# Altium PCB Kasli-DIOT.PCBDOC (part 1 of 21) (continued)
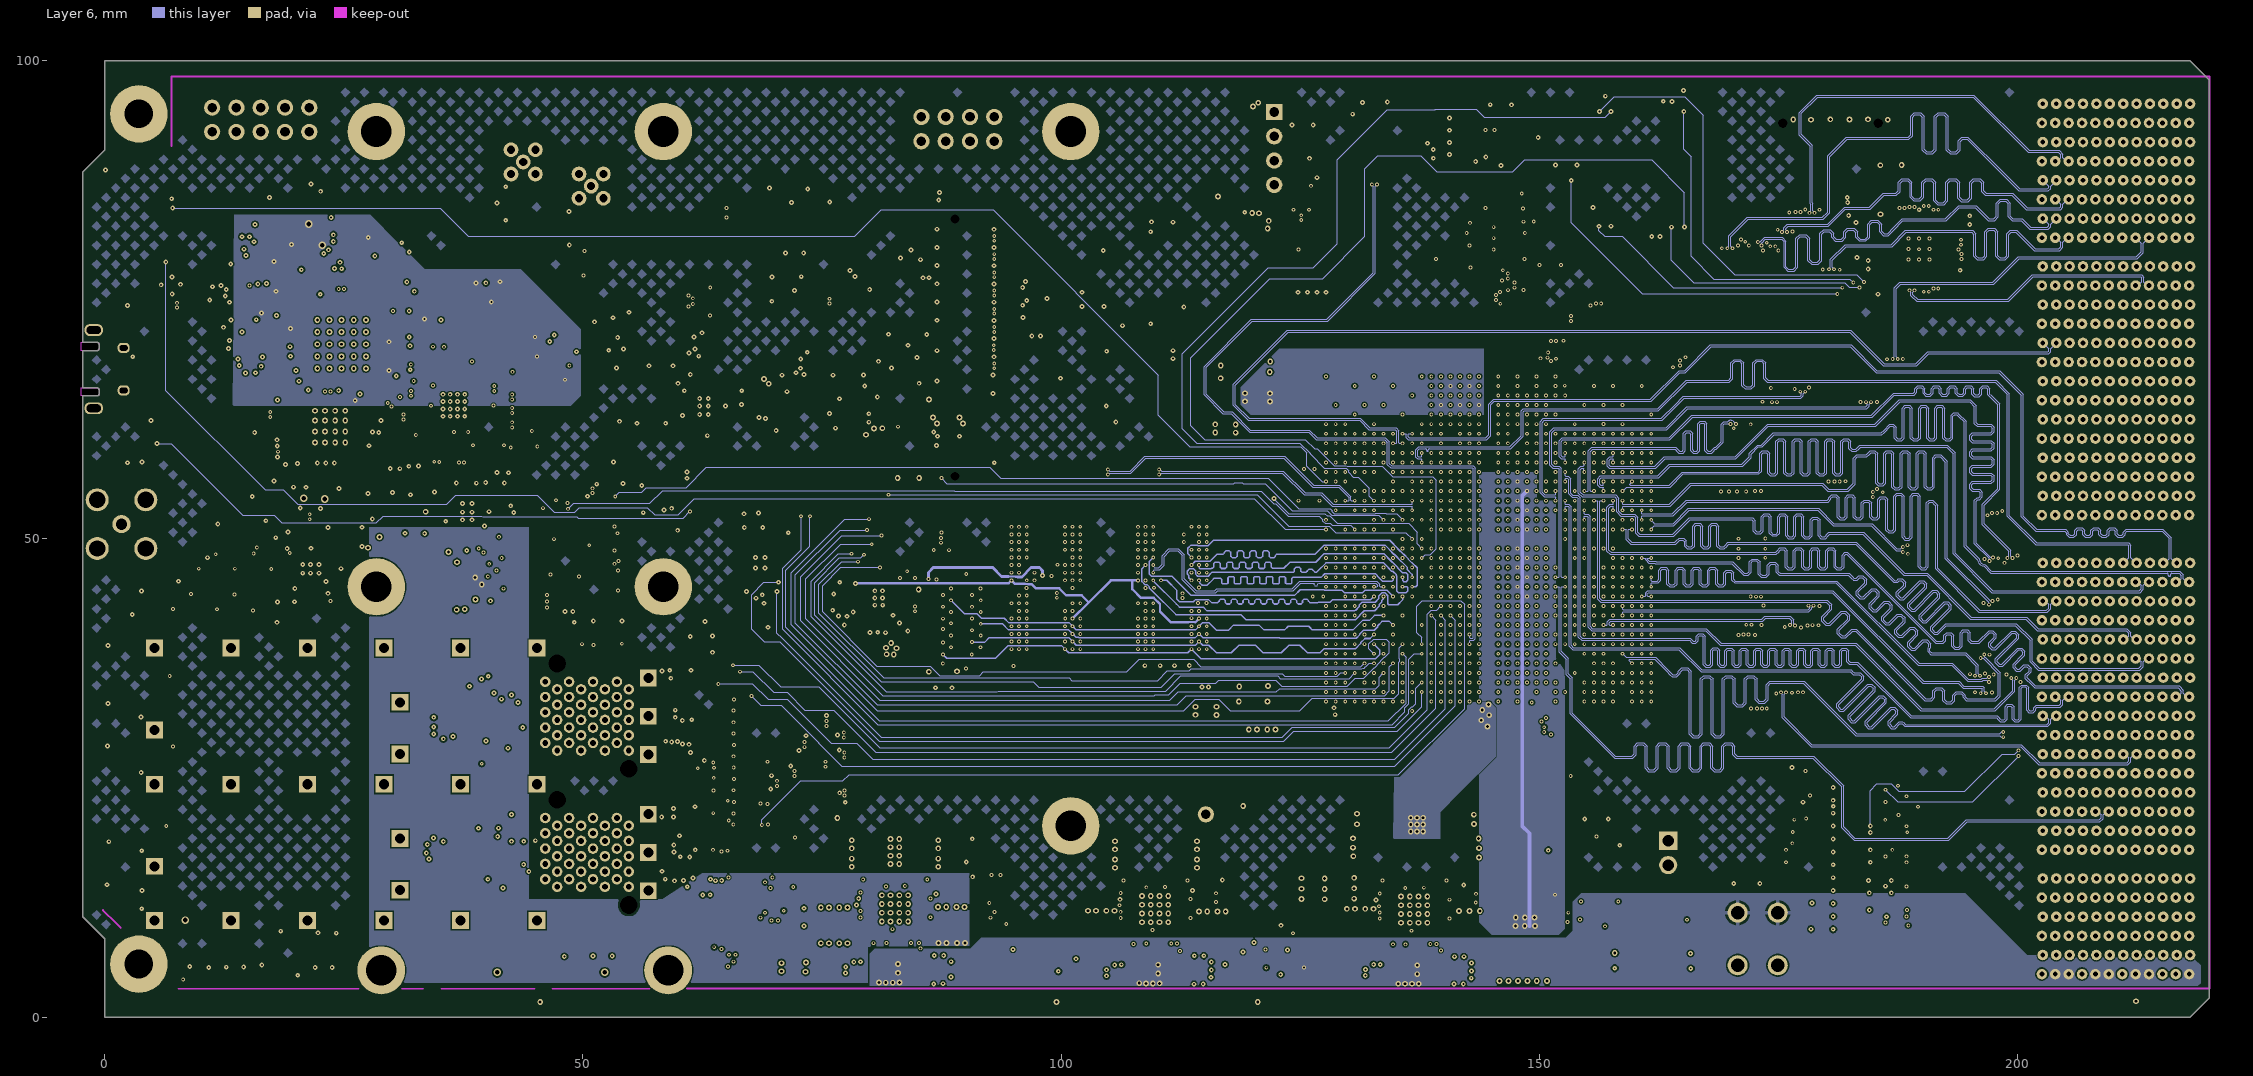
[diagram p6: Layer 6]
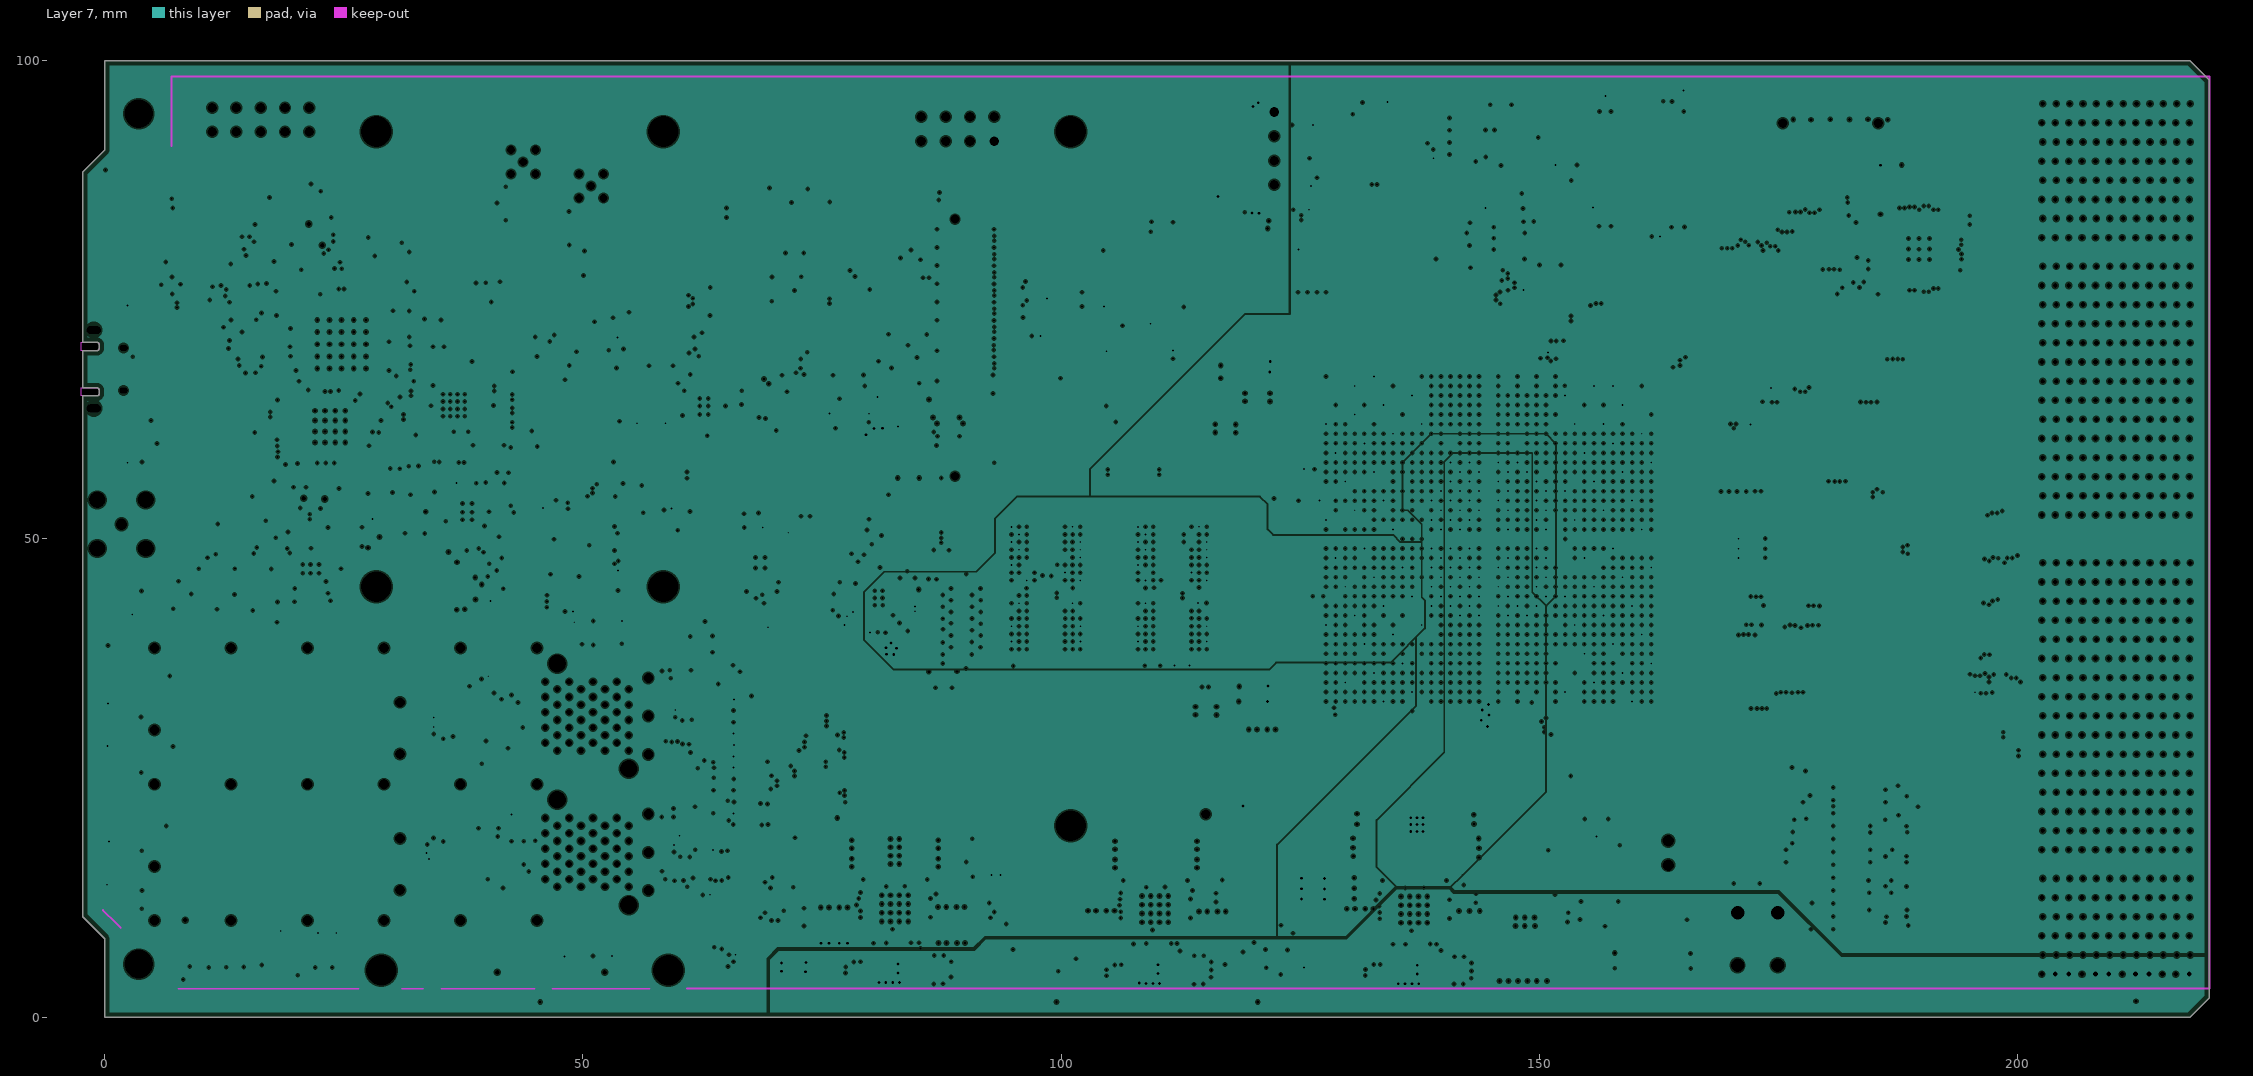
[diagram p7: Layer 7, clearances drawn from the general rule]
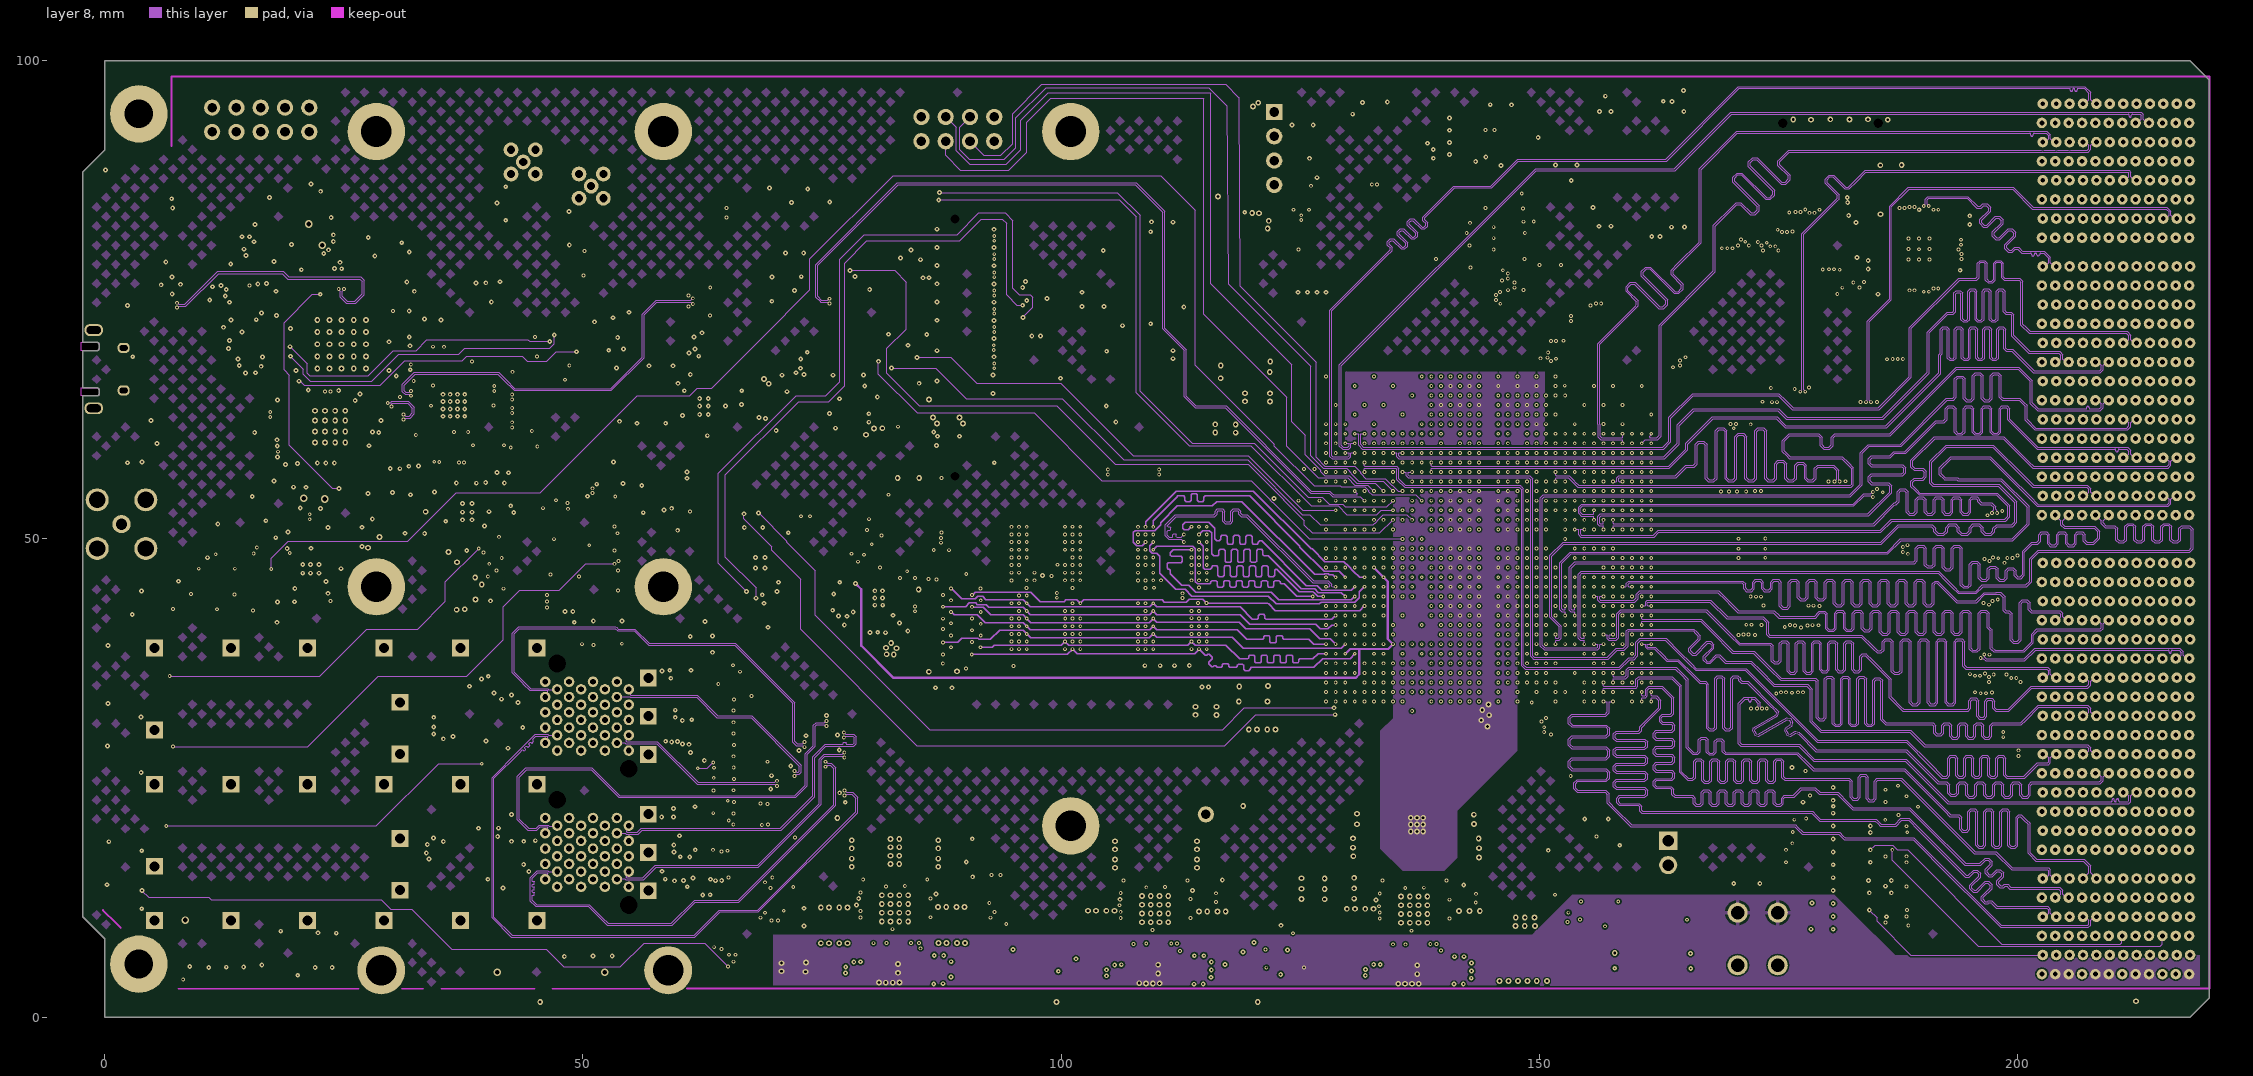
[diagram p8: layer 8]
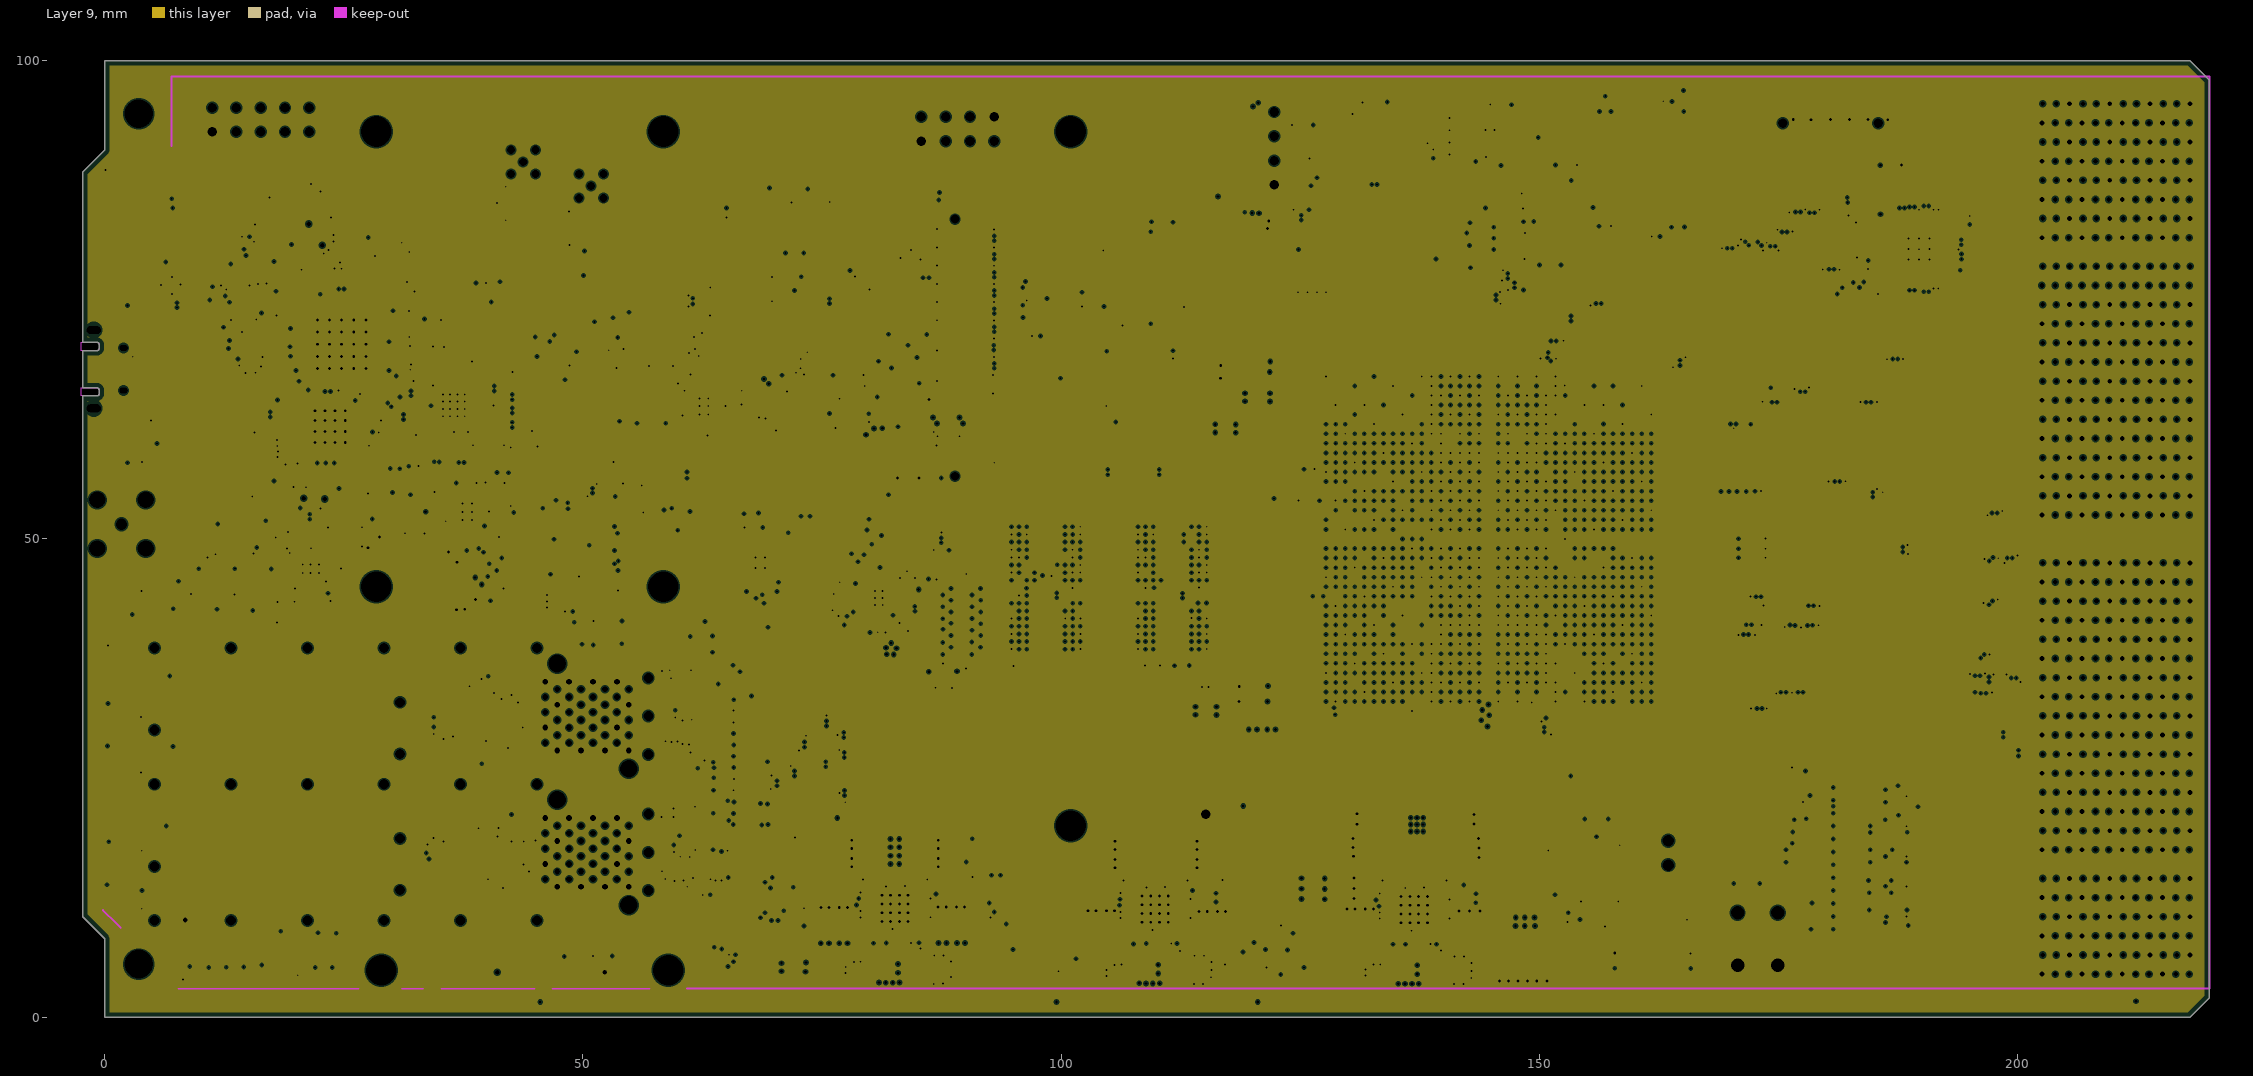
[diagram p9: Layer 9, clearances drawn from the general rule]

## Layer stack, top to bottom
TopSolder: solder mask 0.0225, Solder Resist, Dk 3.5
TopLayer: signal copper 0.035
Dielectric1: core 0.1, FR-4, Dk 4.2
Layer 2: plane copper 0.018, net (Multiple Nets)
Dielectric2: prepreg 0.2, FR-4, Dk 4.1
Layer 3: signal copper 0.018
Dielectric3: prepreg 0.1, FR-4, Dk 4.1
Layer 4: plane copper 0.018, net GND
Dielectric4: prepreg 0.1, FR-4, Dk 4.1
Layer 5: signal copper 0.018
Dielectric5: core 0.35, FR-4, Dk 4.2
Layer 6: signal copper 0.018
Dielectric6: prepreg 0.1, FR-4, Dk 4.1
Layer 7: plane copper 0.018, net (Multiple Nets)
Dielectric7: prepreg 0.1, FR-4, Dk 4.1
layer 8: signal copper 0.018
Dielectric8: prepreg 0.2, FR-4, Dk 4.1
Layer 9: plane copper 0.018, net GND
Dielectric9: core 0.1, FR-4, Dk 4.2
BottomLayer: signal copper 0.035
BottomSolder: solder mask 0.0225, Solder Resist, Dk 3.5

## Board outline
-2.3,10.5 -2.3,64.95 -0.8,64.95 ccw(c-0.8,65.15) -0.6,65.15 -0.6,65.6 ccw(c-0.8,65.6) -0.8,65.8 -2.3,65.8 -2.3,69.7 -0.8,69.7 ccw(c-0.8,69.9) -0.6,69.9 -0.6,70.35 ccw(c-0.8,70.35) -0.8,70.55 -2.3,70.55 -2.3,88.375 0,90.675 0,100 218.039,100 220.039,98 220.039,2 218.039,0 0,0 0,8.2

## Design rules (kind name [scope] priority, off if disabled: settings)
AcuteAngle [All] p1: minimum=4.40000000000000E+0001 checktracksonly=FALSE
AssemblyTestPointUsage [All] p1 off:
AssemblyTestpoint [All] p1 off: testpointundercomponent=TRUE minsize=1.016 maxsize=2.54 preferedsize=1.524 minholesize=0 maxholesize=1.016 preferedholesize=0.813 testpointgrid=0.025 usegrid=TRUE gridtolerance=0 allowsidetop=TRUE allowsidebottom=TRUE
BoardOutlineClearance [All] p1: gap=0.4 ignorepadtopadclearanceinfootprint=FALSE
Clearance Clearance_NPTH [(HoleDiameter > 0) And (PadIsPlated = 'False')] p1: gap=0.254 ignorepadtopadclearanceinfootprint=FALSE
Clearance Clearance_D80 [InDifferentialPair('DDR_CK')] p2: gap=0.085 ignorepadtopadclearanceinfootprint=FALSE
Clearance Clearance_ddr [InNetClass('SE40') or InNetClass('D80') vs WithinRoom('U_FPGA_SDRAM')] p3: gap=0.085 ignorepadtopadclearanceinfootprint=FALSE
Clearance Clearance_poly_balancing [InPolygonClass('Copper_balancing') vs OnLayer('KeepOutLayer')] p4: gap=0.3 ignorepadtopadclearanceinfootprint=FALSE
Clearance Clearance_poly_balancing_1 [InPolygonClass('Copper_balancing') vs InAnyNet] p5: gap=1.5 ignorepadtopadclearanceinfootprint=FALSE
Clearance Clearance_FTG [InComponent('FTG*') vs InComponent('FTG*')] p6: gap=0.1 ignorepadtopadclearanceinfootprint=TRUE except(0: SMDPad-Region; 0.15: THPad-Fill THPad-Poly THPad-Region Via-Fill Via-Poly Via-Region; 0.2: Arc-Fill Arc-Poly Arc-Region Track-Fill Track-Poly Track-Region SMDPad-Fill SMDPad-Poly)
Clearance [All] p7: gap=0.1 ignorepadtopadclearanceinfootprint=TRUE except(0.15: THPad-Poly Via-Poly; 0.2: Track-Poly SMDPad-Poly)
Clearance Clearance_via [IsVia vs IsVia] p8 off: gap=0.254 ignorepadtopadclearanceinfootprint=FALSE except(0: Arc-Hole Track-Hole SMDPad-Hole THPad-Hole Via-Hole Fill-Hole Poly-Hole Region-Hole Text-Hole; 0.076: Arc-Track Arc-SMDPad Track-Track Track-SMDPad SMDPad-SMDPad SMDPad-Fill SMDPad-Region THPad-Fill THPad-Region; 0.08: Arc-Arc; 0.1: Arc-Fill Arc-Region Track-Fill Track-Region Fill-Fill Fill-Region; 0.127: Arc-Poly Track-Poly SMDPad-Poly THPad-Poly Fill-Poly Poly-Poly Poly-Region Region-Region; 0.15: Arc-Via Track-Via SMDPad-Via Via-Via Via-Fill Via-Poly Via-Region; 0.2: Arc-THPad Track-THPad SMDPad-THPad THPad-THPad THPad-Via)
Clearance Clearance_inner [(OnLayer('MidLayer1') OR OnLayer('MidLayer2') OR OnLayer('SignalLayer1'))] p9 off: gap=0.25 ignorepadtopadclearanceinfootprint=FALSE except(0: Arc-Hole SMDPad-Hole THPad-Hole Via-Hole Fill-Hole Poly-Hole Region-Hole Text-Hole; 0.076: Arc-Arc Arc-Track Arc-SMDPad Track-Track Track-SMDPad SMDPad-SMDPad SMDPad-Fill SMDPad-Region THPad-Fill THPad-Region; 0.1: Track-THPad Track-Region Region-Region; 0.127: SMDPad-Poly THPad-Poly; 0.15: Arc-Via Track-Via Via-Fill Via-Poly Via-Region; 0.2: SMDPad-Via THPad-Via; 0.254: Arc-Text Track-Text SMDPad-Text THPad-Text Via-Text Fill-Text Poly-Text Region-Text Text-Text)
ComponentClearance ComponentClearance_0mm [InComponent('FTG*')  or (ObjectKind = '3D Body') or InComponent('TP*') or InComponent('ic30') or InComponent('ic31')  or InComponent('ic24') or InComponent('ic25')  or InComponent('ic28') or InComponent('ic29') or InComponent('c305')  or InComponent('c306')  or InComponent('ic4') or InComponent('HS1')  or InComponent('j18') or InComponent('j19') or InComponent('M1') or InComponent('M2')or InComponent('j11')or InComponent('j12')or InComponent('j14')or InComponent('j29') or InComponent('j31')or InComponent('j33') or InComponent('IC34') or InComponent('IC35') or InComponent('IC38')  or InComponent('C427') or InComponent('R238') vs InComponent('FTG*')  or (ObjectKind = '3D Body') or InComponent('TP*') or InComponent('ic30') or InComponent('ic31')  or InComponent('ic24') or InComponent('ic25')  or InComponent('ic28') or InComponent('ic29') or InComponent('c305')  or InComponent('c306')  or InComponent('ic4') or InComponent('HS1')  or InComponent('j18') or InComponent('j19') or InComponent('M1') or InComponent('M2')or InComponent('j11')or InComponent('j12')or InComponent('j14')or InComponent('j29') or InComponent('j31')or InComponent('j33') or InComponent('IC34') or InComponent('IC35') or InComponent('IC38')  or InComponent('C427') or InComponent('R238')] p1: gap=0 collisioncheckmode=3 verticalgap=0 showdistances=FALSE
ComponentClearance [All] p2: gap=0.15 collisioncheckmode=3 verticalgap=0.15 showdistances=FALSE
DiffPairsRouting DiffPairsRouting_DDR [InNetClass('D80')] p1: maxlimit=0.1 minlimit=0.09 mostfreqgap=0.1 toplayer_maxgap=0.09 toplayer_prefgap=0.09 toplayer_minwidth=0.12 toplayer_maxwidth=0.12 toplayer_prefwidth=0.12 midlayer2_mingap=0.1 midlayer2_minwidth=0.11 midlayer2_maxwidth=0.11 midlayer2_prefwidth=0.11 midlayer3_mingap=0.1 midlayer3_minwidth=0.12 midlayer3_maxwidth=0.12 midlayer3_prefwidth=0.12 midlayer4_mingap=0.1 midlayer4_minwidth=0.12 midlayer4_maxwidth=0.12 midlayer4_prefwidth=0.12 midlayer7_mingap=0.1 midlayer7_minwidth=0.11 midlayer7_maxwidth=0.11 midlayer7_prefwidth=0.11 bottomlayer_maxgap=0.09 bottomlayer_prefgap=0.09 bottomlayer_minwidth=0.12 bottomlayer_maxwidth=0.12 bottomlayer_prefwidth=0.12 impedanceprofiledriven=TRUE impedanceprofileid={ECA0DBA4-A4E1-4D84-A065-75DCE5BDB592} impedanceprofilevalue=80.000000 maxuncoupledlength=12.7
DiffPairsRouting DiffPairsRouting_100_Ohm [InNetClass('D100')] p2: maxlimit=0.127 minlimit=0.127 mostfreqgap=0.127 toplayer_minwidth=0.095 toplayer_maxwidth=0.095 toplayer_prefwidth=0.095 midlayer2_minwidth=0.075 midlayer2_maxwidth=0.075 midlayer2_prefwidth=0.075 midlayer3_minwidth=0.08 midlayer3_maxwidth=0.08 midlayer3_prefwidth=0.08 midlayer4_minwidth=0.08 midlayer4_maxwidth=0.08 midlayer4_prefwidth=0.08 midlayer7_minwidth=0.075 midlayer7_maxwidth=0.075 midlayer7_prefwidth=0.075 bottomlayer_minwidth=0.095 bottomlayer_maxwidth=0.095 bottomlayer_prefwidth=0.095 impedanceprofiledriven=TRUE impedanceprofileid={1982F57B-03E1-4757-A237-F38424A46CC9} impedanceprofilevalue=100.000000 maxuncoupledlength=50
DiffPairsRouting DiffPairsRouting_90_Ohm [InNetClass('D90')] p3: maxlimit=0.127 minlimit=0.127 mostfreqgap=0.127 toplayer_minwidth=0.129 toplayer_maxwidth=0.129 toplayer_prefwidth=0.129 midlayer7_minwidth=0.102 midlayer7_maxwidth=0.102 midlayer7_prefwidth=0.102 bottomlayer_minwidth=0.129 bottomlayer_maxwidth=0.129 bottomlayer_prefwidth=0.129 impedanceprofiledriven=TRUE impedanceprofileid={2F883F46-BAAB-4C73-83E7-9B47EDEBFF7F} impedanceprofilevalue=90.000000 maxuncoupledlength=12.7
DiffPairsRouting [InAnyDifferentialPair] p4 off: maxlimit=0.127 minlimit=0.127 mostfreqgap=0.127 toplayer_minwidth=0.095 toplayer_maxwidth=0.095 toplayer_prefwidth=0.095 midlayer2_minwidth=0.075 midlayer2_maxwidth=0.075 midlayer2_prefwidth=0.075 midlayer3_minwidth=0.08 midlayer3_maxwidth=0.08 midlayer3_prefwidth=0.08 midlayer4_minwidth=0.08 midlayer4_maxwidth=0.08 midlayer4_prefwidth=0.08 midlayer7_minwidth=0.075 midlayer7_maxwidth=0.075 midlayer7_prefwidth=0.075 bottomlayer_minwidth=0.095 bottomlayer_maxwidth=0.095 bottomlayer_prefwidth=0.095 impedanceprofiledriven=TRUE impedanceprofileid={1982F57B-03E1-4757-A237-F38424A46CC9} impedanceprofilevalue=100.000000 maxuncoupledlength=3
FabricationTestPointUsage TestPointUsage [All] p1: valid=0 allowmultiple=FALSE
FabricationTestpoint Testpoint [All] p1: side=3 testpointundercomponent=TRUE minsize=1.016 maxsize=2.54 preferedsize=1.524 minholesize=0.508 maxholesize=1.016 preferedholesize=0.813 testpointgrid=0.025 allowsidetop=TRUE allowsidebottom=TRUE usegrid=TRUE gridtolerance=0
Height Height_FTG [InComponent('FTG*')] p1: minheight=0 maxheight=10 prefheight=1
Height Height_2 [OnLayer('BottomLayer')] p2: minheight=0 maxheight=2 prefheight=1
Height [All] p3: minheight=0 maxheight=27 prefheight=12.7
HoleSize [All] p1: absolutevalues=TRUE maxlimit=3.2 minlimit=0.15 maxpercent=80.000 minpercent=20.000
HoleToHoleClearance [All] p1: gap=0.15 allowstackedmicrovias=TRUE
MatchedLengths MatchedLengths_PECLK [InNetClass('PE_CLK')] p1: tolerance=25.4 checknetsindiffpair=TRUE checkdiffpairvsdiffpair=FALSE checkxsignals=FALSE checkothers=FALSE usedelayunits=TRUE delaytolerance=1.000000
MatchedLengths MatchedLengths_PE_CLK [InNetClass('PE_CLK')] p2: tolerance=25.4 checknetsindiffpair=FALSE checkdiffpairvsdiffpair=TRUE checkxsignals=TRUE checkothers=TRUE usedelayunits=TRUE delaytolerance=7.000000
MatchedLengths MatchedLengths_SLOT1 [InNetClass('SLOT1')] p3: tolerance=7.5 checknetsindiffpair=FALSE checkdiffpairvsdiffpair=TRUE checkxsignals=TRUE checkothers=TRUE usedelayunits=TRUE delaytolerance=50.000000
MatchedLengths MatchedLengths_SLOT2 [InNetClass('SLOT2')] p4: tolerance=7.5 checknetsindiffpair=FALSE checkdiffpairvsdiffpair=TRUE checkxsignals=TRUE checkothers=TRUE usedelayunits=TRUE delaytolerance=50.000000
MatchedLengths MatchedLengths_SLOT3 [InNetClass('SLOT3')] p5: tolerance=7.5 checknetsindiffpair=FALSE checkdiffpairvsdiffpair=TRUE checkxsignals=TRUE checkothers=TRUE usedelayunits=TRUE delaytolerance=50.000000
MatchedLengths MatchedLengths_SLOT4 [InNetClass('SLOT4')] p6: tolerance=7.5 checknetsindiffpair=FALSE checkdiffpairvsdiffpair=TRUE checkxsignals=TRUE checkothers=TRUE usedelayunits=TRUE delaytolerance=50.000000
MatchedLengths MatchedLengths_SLOT5 [InNetClass('SLOT5')] p7: tolerance=7.5 checknetsindiffpair=FALSE checkdiffpairvsdiffpair=TRUE checkxsignals=TRUE checkothers=TRUE usedelayunits=TRUE delaytolerance=50.000000
MatchedLengths MatchedLengths_SLOT6 [InNetClass('SLOT6')] p8: tolerance=7.5 checknetsindiffpair=FALSE checkdiffpairvsdiffpair=TRUE checkxsignals=TRUE checkothers=TRUE usedelayunits=TRUE delaytolerance=50.000000
MatchedLengths MatchedLengths_SLOT7 [InNetClass('SLOT7')] p9: tolerance=7.5 checknetsindiffpair=FALSE checkdiffpairvsdiffpair=TRUE checkxsignals=TRUE checkothers=TRUE usedelayunits=TRUE delaytolerance=50.000000
MatchedLengths MatchedLengths_SLOT8 [InNetClass('SLOT8')] p10: tolerance=7.5 checknetsindiffpair=FALSE checkdiffpairvsdiffpair=TRUE checkxsignals=TRUE checkothers=TRUE usedelayunits=TRUE delaytolerance=50.000000
MatchedLengths MatchedLengths_DDR_CLOCKS_STROBES [InxSignalClass('ADDR_PP1') OR InxSignalClass('ADDR_PP2') OR InxSignalClass('DATA_BL0') OR InxSignalClass('DATA_BL1') OR InxSignalClass('DATA_BL2') OR InxSignalClass('DATA_BL3')] p11: tolerance=0.3 checknetsindiffpair=TRUE checkdiffpairvsdiffpair=FALSE checkxsignals=FALSE checkothers=FALSE
MatchedLengths MatchedLengths_DATA_BL3 [InxSignalClass('DATA_BL3')] p12: tolerance=1.5 checknetsindiffpair=FALSE checkdiffpairvsdiffpair=TRUE checkxsignals=TRUE checkothers=TRUE
MatchedLengths MatchedLengths_DATA_BL2 [InxSignalClass('DATA_BL2')] p13: tolerance=1.5 checknetsindiffpair=FALSE checkdiffpairvsdiffpair=TRUE checkxsignals=TRUE checkothers=TRUE
MatchedLengths MatchedLengths_DATA_BL1 [InxSignalClass('DATA_BL1')] p14: tolerance=1.5 checknetsindiffpair=FALSE checkdiffpairvsdiffpair=TRUE checkxsignals=TRUE checkothers=TRUE
MatchedLengths MatchedLengths_DATA_BL0 [InxSignalClass('DATA_BL0')] p15: tolerance=1.5 checknetsindiffpair=FALSE checkdiffpairvsdiffpair=TRUE checkxsignals=TRUE checkothers=TRUE
MatchedLengths MatchedLengths_ADDR_PP2 [InxSignalClass('ADDR_PP2')] p16: tolerance=1.2 checknetsindiffpair=FALSE checkdiffpairvsdiffpair=TRUE checkxsignals=TRUE checkothers=TRUE
MatchedLengths MatchedLengths_ADDR_PP1 [InxSignalClass('ADDR_PP1')] p17: tolerance=1.2 checknetsindiffpair=FALSE checkdiffpairvsdiffpair=TRUE checkxsignals=TRUE checkothers=TRUE
MatchedLengths MatchedLengths_MGT [InxSignalClass('MGT')] p18: tolerance=1 checknetsindiffpair=TRUE checkdiffpairvsdiffpair=FALSE checkxsignals=FALSE checkothers=FALSE
MatchedLengths MatchedLengths_diff_clocks [InxSignalClass('Differential clocks')] p19: tolerance=1 checknetsindiffpair=TRUE checkdiffpairvsdiffpair=FALSE checkxsignals=FALSE checkothers=FALSE
MatchedLengths MatchLengths_xSignals_clock_fanout [InxSignalClass('Clock fanout')] p20: tolerance=1 checknetsindiffpair=FALSE checkdiffpairvsdiffpair=TRUE checkxsignals=TRUE checkothers=TRUE
MatchedLengths [InNet('slot*')] p21: tolerance=1 checknetsindiffpair=TRUE checkdiffpairvsdiffpair=FALSE checkxsignals=FALSE checkothers=FALSE
MinimumAnnularRing MinimumAnnularRing_mid [OnLayer('MidLayer1') or OnLayer('MidLayer2') or OnLayer('MidLayer3') or OnLayer('MidLayer4')] p1: minimumring=0.15
MinimumAnnularRing MinimumAnnularRing_outer [OnLayer('TopLayer') or OnLayer('BottomLayer')] p2: minimumring=0.1
MinimumSolderMaskSliver [All] p1: minsoldermaskwidth=0.075
ParallelSegment [All] p1 off: limit=5 gap=0.254
PlaneClearance PlaneClearance_MGT [InNetClass('MGT')] p1: clearance=0.25
PlaneClearance PlaneClearance_DDR [InNetClass('SE40') or InNetClass('D80')] p2: clearance=0.2
PlaneClearance [All] p3: clearance=0.15
PlaneConnect PlaneConnect_direct [HasFootprint('AMPHENOL_10052825-101LF') or HasFootprint('AMPHENOL_10052837-101LF') or HasFootprint('AMPHENOL_10052824-101LF') or HasFootprint('AMPHENOL_10052838-101LF') or HasFootprint('AMPHENOL_UE78B212700321')] p1: planeconnectstyle=Direct reliefexpansion=0.508 reliefentries=4 reliefconductorwidth=0.254 reliefairgap=0.254
PlaneConnect [All] p2: pad.planeconnectstyle=Relief pad.reliefexpansion=0.2 pad.reliefentries=4 pad.reliefconductorwidth=0.254 pad.reliefairgap=0.254 via.planeconnectstyle=Direct via.reliefexpansion=0.2 via.reliefentries=4 via.reliefconductorwidth=0.254 via.reliefairgap=0.15
PolygonConnect PolygonConnect_strip [InNet('STRIP3')] p1: connectstyle=Direct reliefconductorwidth=0.254 reliefentries=4 polygonreliefangle="90 Angle" airgapwidth=0.254
PolygonConnect PolygonConnect_direct [HasFootprint('AMPHENOL_10052825-101LF')  OR HasFootprint('AMPHENOL_10052837-101LF')] p2: connectstyle=Direct reliefconductorwidth=0.254 reliefentries=4 polygonreliefangle="90 Angle" airgapwidth=0.254
PolygonConnect PolygonConnect_PWR [InNetClass('PWR')] p3: thpad.connectstyle=Relief thpad.reliefconductorwidth=0.4 thpad.reliefentries=4 thpad.polygonreliefangle="90 Angle" thpad.airgapwidth=0.254 smdpad.connectstyle=Direct smdpad.reliefconductorwidth=0.254 smdpad.reliefentries=4 smdpad.polygonreliefangle="90 Angle" smdpad.airgapwidth=0.254 via.connectstyle=Direct via.reliefconductorwidth=0.254 via.reliefentries=4 via.polygonreliefangle="90 Angle" via.airgapwidth=0.254